# Altium PCB Crawler_PCB_V2.0.PcbDoc (part 2 of 2)
Units mm, origin at the board's own origin, x right, y up, seen from the top; angles counter-clockwise.
Board outline 95 x 94.99 mm, 4 copper layers (Top Copper, INT1, INT2, Bottom Copper), stack 1.57 mm thick; 143 components, 106 nets, 516 pads, 462 vias.
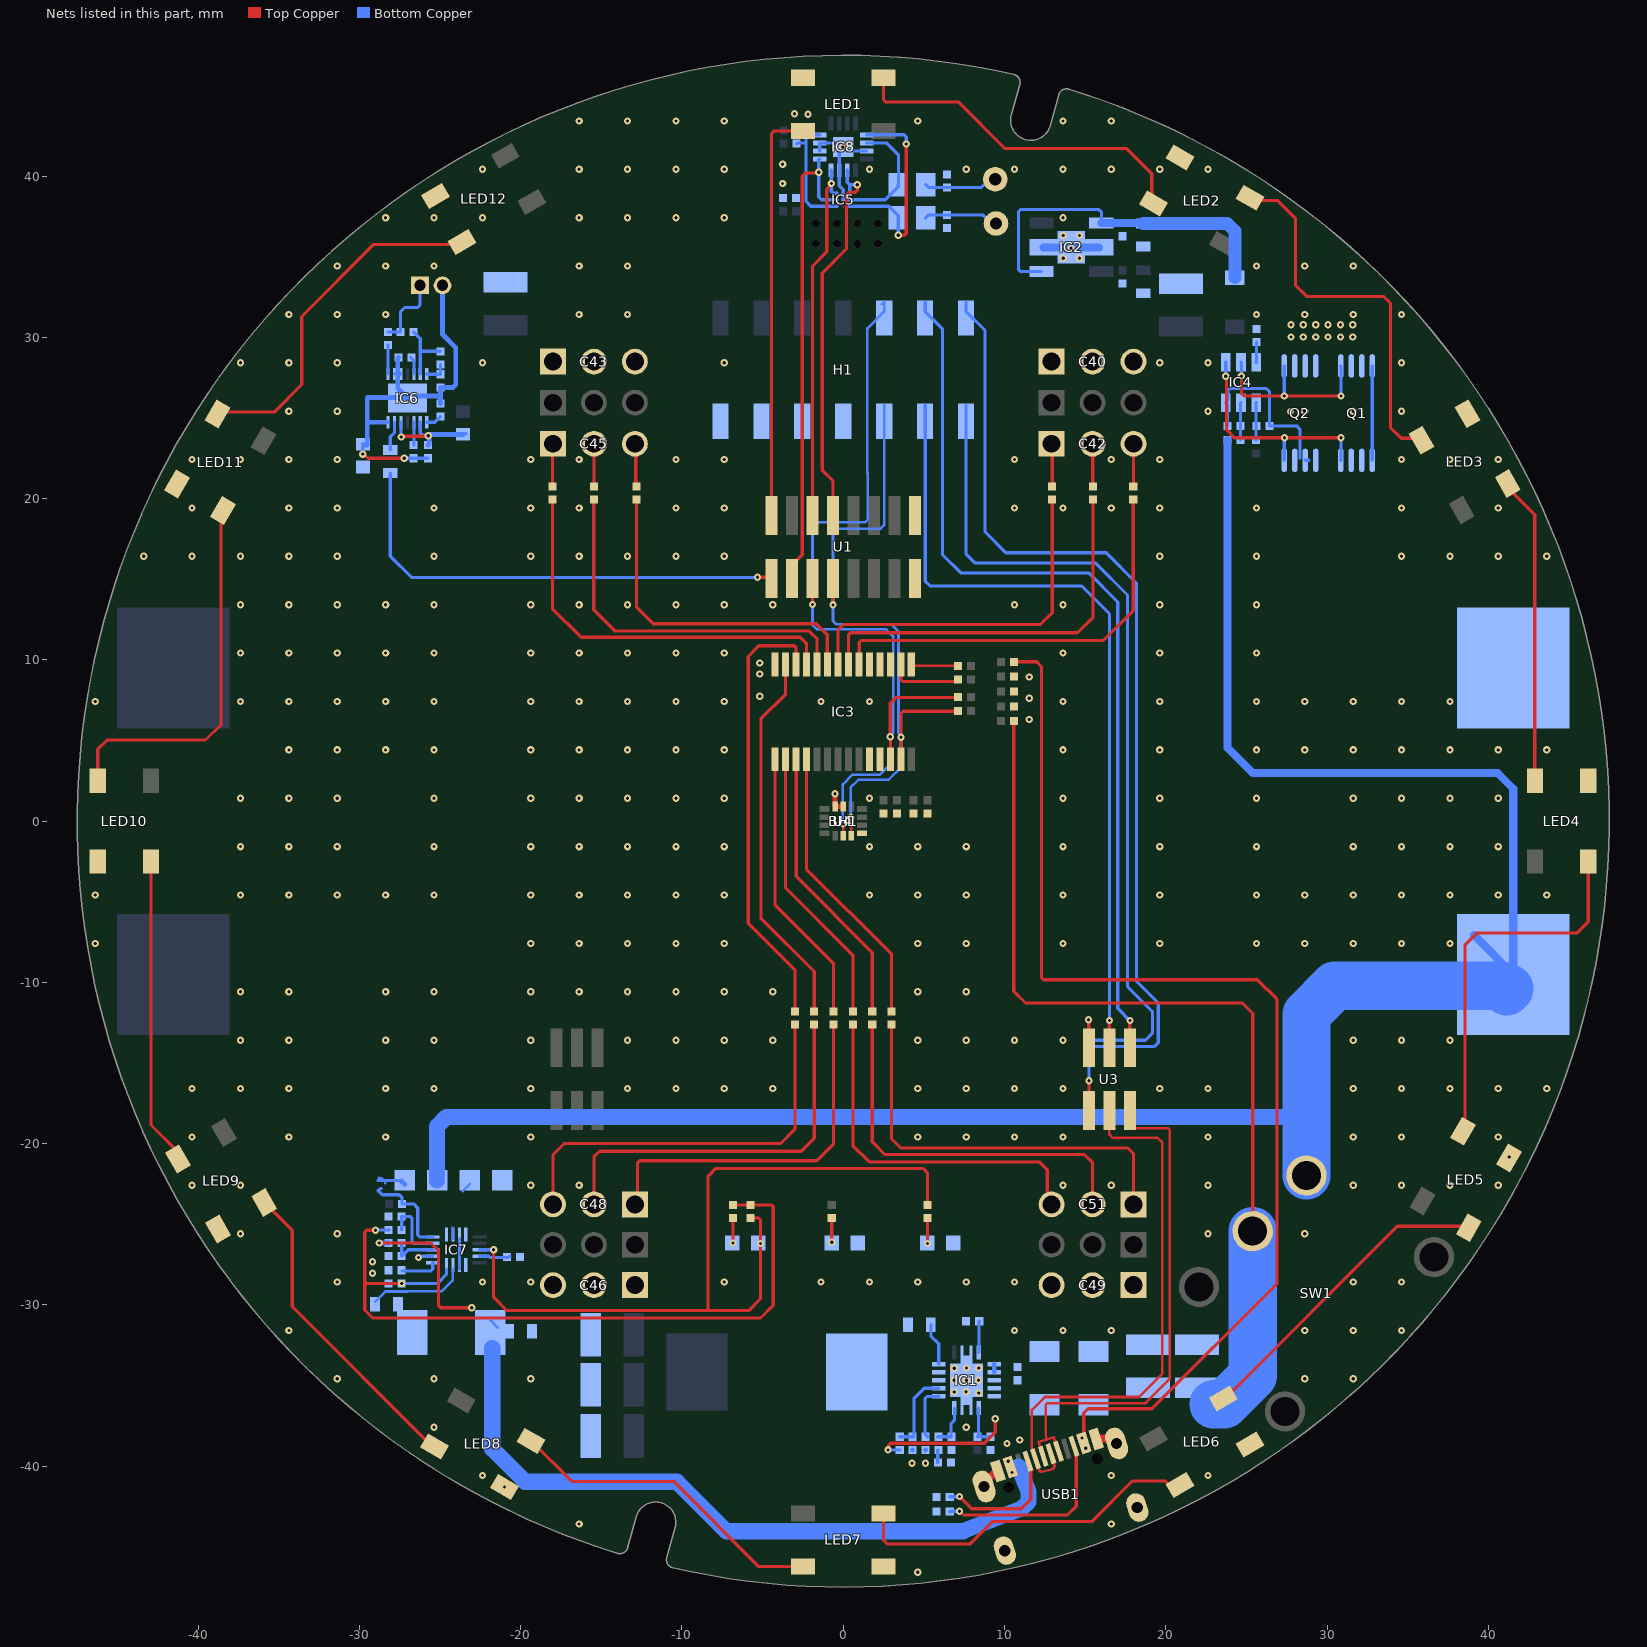
[diagram p4: the nets of this part, all layers, seen from the top]

## Via types
v1: diameter 0.45, hole 0.2, Top Copper to Bottom Copper, tented both sides, 458 vias
v2: diameter 2, hole 1.5, Top Copper to Bottom Copper, tented both sides, 2 vias
v3: diameter 4, hole 3.2, Top Copper to Bottom Copper, tented both sides, 2 vias

## Nets (pads, with @x,y where several pads share a name; then routed paths per layer and width w, separated by ;. In a path a pad name is that pad's centre, name@x,y a point inside that pad or via, vN(x,y) a via of type N, cw(c..) or ccw(c..) an arc to the next point about the centre after c; other vN are vias at no path point) (continued)
GND: C1.2 C2.1 C3.1 C4.1 C5.1 C6.1 C8.1 C9.1 C10.1 C11.1 C12.1 C13.1 C14.1 C15.1 C16.1 C17.1 C18.1 C19.1 C22.1 C23.1 C24.1 C25.1 C26.2 C27.1 C38.1 C39.1 C40.1 C40.2 C40.3 C43.1 C43.2 C43.3 C46.1 C46.2 C46.3 C49.1 C49.2 C49.3 C53.1 C57.1 C58.1 C59.1 C60.1 FB2.1 H1.1 H1.3 H1.5 H1.7 IC1.2 IC1.3 IC1.15 IC2.2 IC2.6 IC2.7 IC3.3 IC3.4 IC3.5 IC3.14 IC3.24 IC3.25 IC5.B2 IC5.C2 IC7.6 IC7.13 IC8.2 IC8.3 IC8.11 IC8.15 IC8.17 LED1.3 LED2.3 LED3.3 LED4.3 LED5.3 LED6.3 LED7.3 LED8.3 LED9.3 LED10.3 LED11.3 LED12.3 LED13.1 LED15.1 Q1.6 Q1.7 Q2.6 Q2.7 R1.2 R4.1 R6.1 R11.1 R14.1 R15.2 R27.1 R28.1 R59.1 R63.2 R64.2 R65.2 SB1.2 U1.15 U1.16 U4.1 U4.6 U4.7 USB1.1 USB1.2 USB1.3 USB1.4 USB1.A1 USB1.A12 USB1.B1 USB1.B12 | length 19.7
  Top Copper w0.2: USB1.B1@15.54,-38.366 15.633,-38.273 USB1.A12@15.826,-38.273
  Top Copper w0.3: LED10.3@-46.227,-2.525 LED10.3@-45.877,-2.54 ; LED1.3@-2.5,46.1 LED1.3@-2.489,45.75 ; v1(-0.506,1.699) -0.503,1.697 -0.503,0.913 U4.7@-0.5,0.91 U4.6@0,0.91 ; LED7.3@2.54,-45.877 LED7.3@2.551,-46.227 ; LED2.3@20.709,40.858 LED2.3@20.885,41.16 ; LED5.3@41.287,-20.885 41.3,-20.872 v1(41.3,-20.828) ; LED4.3@45.852,2.54 LED4.3@46.202,2.525
  Top Copper w0.5: USB1.1@8.732,-41.262 8.732,-41.065 USB1.A1@9.453,-40.344 ; USB1.A12@15.826,-38.273 16.63,-38.273 USB1.2@16.949,-38.592
  Bottom Copper w0.2: SB1.2@-28.829,-22.294 -28.476,-22.294 -27.424,-22.294 C57.1@-27.394,-22.323 ; v1(-26.34,-27.066) -26.272,-27.066 -26.187,-26.981 IC7.6@-25.453,-26.981 ; IC8.2@-1.45,41.558 IC8.3@-1.45,42.058 -0.25,42.058 IC8.17@0,41.808 ; v1(-0.025,41.808) IC8.17@0,41.808 ; IC5.B2@0,38.532 0,39.158 -0.25,39.408 IC8.15@-0.25,40.358 -0.25,41.558 IC8.17@0,41.808 ; IC8.11@1.45,41.558 0.25,41.558 IC8.17@0,41.808
  Bottom Copper w0.3: C57.1@-27.394,-22.323 C57.1@-27.187,-22.53 ; R6.1@4.299,-38.995 R6.1@4.305,-38.989 ; C1.2@5.105,-38.989 C1.2@5.118,-39.002 ; IC1.3@9.368,-34.171 IC1.2@9.368,-33.671
  Bottom Copper w0.5: IC2.2@12.423,35.585 IC2.7@14.148,35.585 IC2.6@15.873,35.585
  other v1: 4.622,-46.581 -16.378,-43.581 16.622,-43.581 -21.012,-41.287 -22.378,-40.581 16.622,-40.581 22.622,-40.581 4.267,-39.825 5.105,-39.825 10.16,-38.594 10.947,-38.379 -25.378,-37.581 7.622,-37.581 8.407,-35.458 6.883,-35.408 7.62,-35.382 6.883,-34.671 7.643,-34.671 8.382,-34.671 -31.378,-34.581 -25.378,-34.581 -19.378,-34.581 28.622,-34.581 31.622,-34.581 6.883,-33.934 7.645,-33.909 8.407,-33.909 -34.378,-31.581 10.622,-31.581 13.622,-31.581 16.622,-31.581 28.622,-31.581 31.622,-31.581 34.622,-31.581 -31.378,-28.581 -22.378,-28.581 -19.378,-28.581 -7.378,-28.581 -1.378,-28.581 1.622,-28.581 4.622,-28.581 7.622,-28.581 10.622,-28.581 31.622,-28.581 34.622,-28.581 -29.185,-28.042 -29.185,-27.33 -37.378,-25.581 -31.378,-25.581 22.622,-25.581 28.622,-25.581 -40.378,-22.581 -37.378,-22.581 -19.378,-22.581 -16.378,-22.581 13.622,-22.581 16.622,-22.581 22.622,-22.581 31.622,-22.581 34.622,-22.581 37.622,-22.581 40.622,-22.581 -40.378,-19.581 -34.378,-19.581 -28.378,-19.581 -19.378,-19.581 4.622,-19.581 7.622,-19.581 10.622,-19.581 13.622,-19.581 22.622,-19.581 31.622,-19.581 34.622,-19.581 40.622,-19.581 -40.378,-16.581 -37.378,-16.581 -34.378,-16.581 -28.378,-16.581 -25.378,-16.581 -19.378,-16.581 -13.378,-16.581 -10.378,-16.581 -7.378,-16.581 -4.378,-16.581 4.622,-16.581 7.622,-16.581 10.622,-16.581 13.622,-16.581 19.622,-16.581 22.622,-16.581 31.622,-16.581 34.622,-16.581 37.622,-16.581 40.622,-16.581 43.622,-16.581 -37.378,-13.581 -34.378,-13.581 -28.378,-13.581 -25.378,-13.581 -19.378,-13.581 -13.378,-13.581 -10.378,-13.581 -7.378,-13.581 -4.378,-13.581 4.622,-13.581 7.622,-13.581 10.622,-13.581 13.622,-13.581 31.622,-13.581 34.622,-13.581 37.622,-13.581 -37.378,-10.581 -34.378,-10.581 -28.378,-10.581 -25.378,-10.581 -19.378,-10.581 -16.378,-10.581 -13.378,-10.581 -10.378,-10.581 -7.378,-10.581 -4.378,-10.581 4.622,-10.581 7.622,-10.581 -46.378,-7.581 -19.378,-7.581 -16.378,-7.581 -13.378,-7.581 -10.378,-7.581 -7.378,-7.581 4.622,-7.581 7.622,-7.581 13.622,-7.581 19.622,-7.581 25.622,-7.581 28.622,-7.581 31.622,-7.581 34.622,-7.581 37.622,-7.581 -46.378,-4.581 -37.378,-4.581 -34.378,-4.581 -31.378,-4.581 -28.378,-4.581 -25.378,-4.581 -19.378,-4.581 -16.378,-4.581 -13.378,-4.581 -10.378,-4.581 -7.378,-4.581 1.622,-4.581 4.622,-4.581 7.622,-4.581 13.622,-4.581 19.622,-4.581 25.622,-4.581 28.622,-4.581 31.622,-4.581 34.622,-4.581 37.622,-4.581 40.622,-4.581 43.622,-4.581 -37.378,-1.581 -34.378,-1.581 -31.378,-1.581 -25.378,-1.581 -19.378,-1.581 -16.378,-1.581 -13.378,-1.581 -10.378,-1.581 -7.378,-1.581 1.622,-1.581 4.622,-1.581 7.622,-1.581 13.622,-1.581 19.622,-1.581 25.622,-1.581 31.622,-1.581 34.622,-1.581 37.622,-1.581 40.622,-1.581 -37.378,1.419 -34.378,1.419 -31.378,1.419 -25.378,1.419 -19.378,1.419 -16.378,1.419 -13.378,1.419 -10.378,1.419 -7.378,1.419 1.622,1.419 13.622,1.419 19.622,1.419 25.622,1.419 31.622,1.419 34.622,1.419 37.622,1.419 40.622,1.419 -34.378,4.419 -31.378,4.419 -28.378,4.419 -25.378,4.419 -19.378,4.419 -16.378,4.419 -13.378,4.419 -10.378,4.419 -7.378,4.419 13.622,4.419 19.622,4.419 25.622,4.419 28.622,4.419 31.622,4.419 34.622,4.419 37.622,4.419 40.622,4.419 43.622,4.419 11.532,6.299 -46.378,7.419 -37.378,7.419 -34.378,7.419 -31.378,7.419 -28.378,7.419 -25.378,7.419 -19.378,7.419 -16.378,7.419 -13.378,7.419 -10.378,7.419 -7.378,7.419 -1.378,7.419 1.622,7.419 13.622,7.419 19.622,7.419 25.622,7.419 28.622,7.419 31.622,7.419 34.622,7.419 37.622,7.419 11.532,7.62 -5.182,7.747 11.532,8.941 -5.182,9.119 -5.182,9.804 -37.378,10.419 -34.378,10.419 -31.378,10.419 -28.378,10.419 -25.378,10.419 -19.378,10.419 -16.378,10.419 -13.378,10.419 -10.378,10.419 -7.378,10.419 13.622,10.419 19.622,10.419 25.622,10.419 -37.378,13.419 -34.378,13.419 -31.378,13.419 -28.378,13.419 -25.378,13.419 -19.378,13.419 -16.378,13.419 -13.378,13.419 -10.378,13.419 -7.378,13.419 -4.378,13.419 10.622,13.419 13.622,13.419 19.622,13.419 25.622,13.419 -43.378,16.419 -40.378,16.419 -37.378,16.419 -34.378,16.419 -31.378,16.419 -25.378,16.419 -19.378,16.419 -16.378,16.419 -13.378,16.419 -10.378,16.419 -7.378,16.419 19.622,16.419 25.622,16.419 34.622,16.419 37.622,16.419 40.622,16.419 43.622,16.419 -40.378,19.419 -34.378,19.419 -31.378,19.419 -25.378,19.419 -19.378,19.419 -16.378,19.419 -10.378,19.419 -7.378,19.419 10.622,19.419 13.622,19.419 16.622,19.419 19.622,19.419 25.622,19.419 34.622,19.419 40.622,19.419 -40.378,22.419 -37.378,22.419 -34.378,22.419 -31.378,22.419 -19.378,22.419 -16.378,22.419 -10.378,22.419 -7.378,22.419 10.622,22.419 16.622,22.419 19.622,22.419 34.622,22.419 37.622,22.419 40.622,22.419 27.737,25.4 -34.378,25.419 -31.378,25.419 22.622,25.419 28.622,25.419 31.622,25.419 34.622,25.419 -37.378,28.419 -34.378,28.419 -31.378,28.419 -22.378,28.419 -7.378,28.419 19.622,28.419 22.622,28.419 34.622,28.419 27.762,30.023 28.529,30.023 29.296,30.023 30.063,30.023 30.831,30.023 31.598,30.023 27.762,30.785 28.529,30.785 29.296,30.785 30.063,30.785 30.831,30.785 31.598,30.785 -34.378,31.419 -31.378,31.419 -28.378,31.419 -16.378,31.419 -13.378,31.419 25.622,31.419 28.622,31.419 31.622,31.419 34.622,31.419 -31.378,34.419 -28.378,34.419 -25.378,34.419 -16.378,34.419 -13.378,34.419 25.622,34.419 28.622,34.419 31.622,34.419 13.64,34.9 14.656,34.9 14.122,35.535 13.64,36.322 14.656,36.322 -28.378,37.419 -25.378,37.419 -22.378,37.419 -16.378,37.419 -13.378,37.419 -10.378,37.419 -7.378,37.419 13.622,37.419 -3.759,39.548 -22.378,40.419 -16.378,40.419 -13.378,40.419 -10.378,40.419 -7.378,40.419 1.622,40.419 7.622,40.419 10.622,40.419 13.622,40.419 16.622,40.419 19.622,40.419 22.622,40.419 -3.759,40.742 -16.378,43.419 -13.378,43.419 -10.378,43.419 -7.378,43.419 4.622,43.419 13.622,43.419 16.622,43.419 -2.184,43.84 -3.023,43.866
GND_ISO: C29.1 C30.1 C31.2 C32.1 FB2.2 IC6.7 IC6.9 IC6.10 IC6.15 MIC1.2 R30.2 | length 25.4
  Top Copper w0.2: v1(-29.794,22.758) -29.727,22.758 -29.473,22.504 v1(-27.229,22.504)
  Bottom Copper w0.2: v1(-29.794,22.758) -29.794,23.07 FB2.2@-29.769,23.37 ; IC6.9@-27.826,27.738 -27.626,27.738 IC6.10@-27.426,27.738 ; v1(-27.229,22.504) C32.1@-26.645,22.504 C30.1@-25.743,22.504
  Bottom Copper w0.3: FB2.2@-29.769,23.37 -29.73,23.331 -29.515,23.331 -29.515,24.714 ; -29.515,26.264 -29.515,24.714 ; -29.489,26.264 IC6.15@-27.051,26.264 ; IC6.7@-28.296,24.738 -29.491,24.738 -29.515,24.714 ; C29.1@-27.584,28.753 -27.626,28.712 -27.626,27.738 -27.626,26.838 IC6.15@-27.051,26.264 ; C31.2@-24.968,25.908 -24.968,26.365 ; MIC1.2@-24.852,33.223 -24.852,30.186 -24.03,29.364 -24.03,27.074 -24.205,26.899 R30.2@-24.968,26.899 -24.968,26.365 ; IC6.15@-27.051,26.264 IC6.15@-27.026,26.238 -26.899,26.365 -24.968,26.365
GPIO_05: H1.13 U3.2 | length 55.2
  Top Copper w0.2: v1(15.215,-12.319) 15.23,-12.334 U3.2@15.23,-14.05
  Bottom Copper w0.2: H1.13@7.62,25.8 7.62,16.561 8.179,16.002 15.646,16.002 17.628,14.021 17.628,-10.262 19.173,-11.807 19.173,-13.162 18.745,-13.589 15.332,-13.589 15.215,-13.472 v1(15.215,-12.319)
GPIO_15: H1.14 U3.1 | length 62.7
  Top Copper w0.2: U3.1@15.23,-17.95 15.24,-17.94 v1(15.24,-16.104)
  Bottom Copper w0.2: H1.14@7.62,32.2 7.62,31.6 8.788,30.432 8.788,17.932 10.084,16.637 16.307,16.637 18.186,14.757 18.186,-9.931 19.533,-11.278 19.533,-13.741 19.304,-13.97 15.494,-13.97 15.24,-14.224 v1(15.24,-16.104)
I2C_SCL: H1.10 IC3.26 R8.1 U1.5 U4.13 | length 53.2
  Top Copper w0.16: v1(-1.905,13.437) U1.5@-1.905,15.05 ; v1(-0.007,-0.16) -0.004,-0.163 -0.004,-0.906 U4.13@0,-0.91
  Top Copper w0.2: IC3.26@2.925,3.844 2.923,3.846 2.923,5.23 v1(2.921,5.232) 2.921,7.315 3.277,7.671 R8.1@7.036,7.671
  Bottom Copper w0.16: v1(-0.007,-0.16) -0.025,-0.142 -0.025,2.286 0.574,2.885 2.276,2.885 2.921,3.531 2.921,5.293 3.099,5.471 3.099,11.455 2.667,11.887 -1.626,11.887 -1.905,12.167 v1(-1.905,13.437) -1.905,18.237 -1.6,18.542 1.372,18.542 1.524,18.694 1.524,21.59 1.499,21.615 1.499,30.559 2.54,31.6 2.54,32.2 H1.10@2.395,32.055
I2C_SDA: H1.9 IC3.27 R7.1 U1.7 U4.14 | length 43.8
  Top Copper w0.16: v1(-0.635,13.411) U1.7@-0.635,15.05 ; v1(0.47,0.22) 0.485,0.205 0.485,-0.895 U4.14@0.5,-0.91
  Top Copper w0.2: IC3.27@3.448,3.844 IC3.27@3.451,3.847 ; IC3.27@3.575,3.844 3.578,3.847 3.578,5.204 v1(3.581,5.207) 3.581,6.68 3.708,6.807 R7.1@7.036,6.807
  Bottom Copper w0.16: v1(0.47,0.22) 0.457,0.233 0.457,2.083 0.94,2.565 2.819,2.565 3.581,3.327 3.581,5.285 3.429,5.438 3.429,11.76 2.982,12.207 -0.422,12.207 -0.635,12.421 v1(-0.635,13.411) -0.635,18.042 -0.541,18.136 2.311,18.136 2.54,18.364 H1.9@2.54,25.8
I2S_BCLK: IC5.C1 IC8.16 U1.6 | length 22.8
  Top Copper w0.2: U1.6@-1.905,18.95 -1.905,34.417 -1.016,35.306 -1.016,39.201 -0.737,39.48 v1(-0.737,39.548)
  Bottom Copper w0.2: IC8.16@-0.75,40.358 -0.75,39.049 -0.633,38.932 IC5.C1@-0.4,38.932
I2S_DIN: IC5.B1 IC8.1 U1.3 | length 29.9
  Top Copper w0.2: U1.3@-3.175,15.05 -3.175,15.88 -2.545,16.51 -2.545,40 -2.356,40.189 -1.568,40.189 v1(-1.524,40.234)
  Bottom Copper w0.2: IC8.1@-1.45,41.058 -1.474,41.058 -1.524,41.008 v1(-1.524,40.234) -1.524,38.71 -1.346,38.532 IC5.B1@-0.4,38.532
I2S_LCR: IC5.C3 IC8.14 U1.8 | length 23.9
  Top Copper w0.2: U1.8@-0.635,18.95 -0.635,21.107 -1.295,21.768 -1.295,33.985 0.203,35.484 0.203,38.837 0.356,38.989 0.746,38.989 0.864,39.106 0.864,39.462 v1(0.868,39.467)
  Bottom Copper w0.2: IC8.14@0.25,40.358 0.25,39.617 0.4,39.467 ; IC5.C3@0.4,38.932 0.4,39.467 ; v1(0.868,39.467) 0.4,39.467
MICBIAS: IC6.13 R31.1 R32.2 | length 4
  Bottom Copper w0.2: R32.2@-26.645,30.328 -26.226,29.909 -26.226,29.134 ; IC6.13@-26.226,27.738 -26.226,29.134 ; R31.1@-24.968,29.134 -26.226,29.134
MICROPHONE: C33.1 U1.1 | length 29.4
  Top Copper w0.2: v1(-5.315,15.122) -4.517,15.122 U1.1@-4.445,15.05
  Bottom Copper w0.2: C33.1@-28.092,21.59 -28.092,16.434 -26.772,15.113 -5.324,15.113 v1(-5.315,15.122)
MP_VCC: C60.2 IC7.4 R16.2 R24.2 R62.1 | length 46.6
  Top Copper w0.2: v1(-29.007,-25.375) -29.552,-25.375 -29.67,-25.492 -29.67,-28.559 ; v1(-27.381,-28.677) -29.552,-28.677 -29.67,-28.559 ; R24.2@-6.833,-23.8 R16.2@-5.74,-23.8 -4.461,-23.8 -4.343,-23.917 -4.343,-30.023 -5.131,-30.81 -29.175,-30.81 -29.67,-30.315 -29.67,-28.559
  Bottom Copper w0.2: v1(-29.007,-25.375) -28.992,-25.36 -28.167,-25.36 R62.1@-28.156,-25.349 ; v1(-27.381,-28.677) -25.17,-28.677 -24.603,-28.11 IC7.4@-24.603,-27.785
NEO_PIXEL_CRAW: LED1.4 U1.2 | length 25.7
  Top Copper w0.2: U1.2@-4.445,18.95 -4.445,42.647 -4.292,42.8 LED1.4@-2.5,42.8
NetC1_1: C1.1 IC1.9 | length 3.3
  Bottom Copper w0.2: C1.1@5.232,-38.176 5.076,-38.02 5.076,-35.796 5.193,-35.679 5.91,-35.679 IC1.9@5.918,-35.671
NetC7_1: C7.1 IC1.13 | length 2.7
  Bottom Copper w0.2: C7.1@5.436,-31.217 5.436,-31.928 5.918,-32.41 5.918,-32.74 IC1.13@5.918,-33.671
NetC7_2: C7.2 IC1.11 IC1.12 L1.1
NetC8_2: C8.2 IC1.8 R5.2 | length 2.7
  Bottom Copper w0.2: R5.2@5.842,-38.176 R5.2@5.905,-38.176 C8.2@6.706,-38.176 6.68,-38.151 6.68,-37.363 6.893,-37.15 IC1.8@6.893,-36.396
NetC9_2: C9.2 R5.1 | length 0.8
  Bottom Copper w0.2: R5.1@5.842,-38.989 5.855,-39.002 5.855,-39.764 C9.2@5.867,-39.776
NetC10_2: C10.2 C11.2 DIO1.2 IC2.1 IC2.4 | length 22.4
  Bottom Copper w0.2: IC2.1@12.298,34.085 10.988,34.085 10.871,34.203 10.871,37.805 10.988,37.922 15.85,37.922 16.023,37.749 IC2.4@16.023,37.084
  Bottom Copper w0.5: IC2.4@16.023,37.084 C11.2@17.323,37.084 18.567,37.084 C10.2@18.593,37.059
  Bottom Copper w0.8: C10.2@18.593,37.059 23.814,37.059 24.282,36.59 DIO1.2@24.282,33.706
NetC20_1: C20.1 IC4.5 R9.2 | length 2.3
  Bottom Copper w0.2: R9.2@24.638,23.647 C20.1@24.638,24.511 24.638,25.928 IC4.5@24.663,25.953
NetC21_2: C21.2 IC4.4 R10.2 | length 2.3
  Bottom Copper w0.2: R10.2@25.603,23.622 25.603,25.943 IC4.4@25.613,25.953
NetC26_1: C26.1 L2.2 TP1.1 | length 4.8
  Top Copper w0.2: TP1.1@9.423,39.802 TP1.1@9.606,39.984
  Bottom Copper w0.2: L2.2@5.117,39.472 5.295,39.294 C26.1@6.426,39.294 8.557,39.294 9.065,39.802 TP1.1@9.423,39.802
NetC27_2: C27.2 L4.2 TP2.1 | length 4.7
  Bottom Copper w0.2: L4.2@5.117,37.414 5.295,37.592 C27.2@6.426,37.592 8.644,37.592 9.178,37.059 TP2.1@9.474,37.059
NetC28_1: C28.1 IC6.8 | length 1.8
  Bottom Copper w0.2: IC6.8@-28.226,27.738 -28.226,29.509 C28.1@-28.219,29.515
NetC28_2: C28.2 MIC1.1 R32.1 | length 4.6
  Bottom Copper w0.2: C28.2@-28.219,30.328 R32.1@-27.457,30.328 -27.457,31.598 -27.203,31.852 -26.391,31.852 -26.252,31.99 MIC1.1@-26.252,33.223
NetC29_2: C29.2 IC6.12 | length 1.1
  Bottom Copper w0.2: C29.2@-26.822,28.753 -26.626,28.556 IC6.12@-26.626,27.738
NetC30_2: C30.2 FB1.1 IC6.2 IC6.5 | length 6.7
  Top Copper w0.2: v1(-27.407,23.825) -27.368,23.863 -25.768,23.863 v1(-25.73,23.901)
  Bottom Copper w0.2: IC6.5@-27.426,24.738 -27.426,23.844 v1(-27.407,23.825) ; IC6.2@-26.226,24.738 -26.226,24.066 -26.108,23.949 -25.778,23.949 v1(-25.73,23.901) ; FB1.1@-23.419,24.04 FB1.1@-23.407,24.028
  Bottom Copper w0.3: C30.2@-25.743,23.317 -25.672,23.388 -25.672,23.972 -23.588,23.972 FB1.1@-23.571,23.989
NetC31_1: C31.1 IC6.1 | length 1
  Bottom Copper w0.2: IC6.1@-25.826,24.738 -25.325,24.738 C31.1@-24.968,25.095
NetC32_2: C32.2 IC6.3 | length 1.4
  Bottom Copper w0.2: C32.2@-26.645,23.317 -26.626,23.336 IC6.3@-26.626,24.738
NetC33_2: C33.2 IC6.6 | length 1.8
  Bottom Copper w0.2: C33.2@-28.092,23.012 -28.092,23.825 -27.826,24.092 IC6.6@-27.826,24.738
NetC56_2: C56.2 IC7.3 | length 6.1
  Bottom Copper w0.16: C56.2@-29.032,-29.809 -28.812,-29.589 -28.39,-29.167 -27.032,-29.167 -27.024,-29.159 -24.912,-29.159 -24.203,-28.45 IC7.3@-24.203,-27.785
NetC58_2: C58.2 IC7.11 | length 1.3
  Bottom Copper w0.16: IC7.11@-24.203,-25.885 IC7.11@-24.203,-25.232 ; -23.597,-22.952 C58.2@-23.149,-22.504
NetIC1_1: IC1.1 R1.1 | length 1.9
  Bottom Copper w0.2: IC1.1@8.393,-32.946 8.413,-32.926 8.413,-31.033 R1.1@8.433,-31.013
NetIC3_1: IC3.1 R12.1 | length 2.9
  Top Copper w0.16: IC3.1@4.225,9.72 4.318,9.627 R12.1@7.112,9.627
  Top Copper w0.2: IC3.1@4.098,9.72 IC3.1@4.115,9.703
NetIC3_2: IC3.2 R13.1 | length 4.6
  Top Copper w0.2: IC3.2@3.581,9.726 IC3.2@3.575,9.72 3.575,8.779 3.692,8.661 6.985,8.661 R13.1@7.112,8.788
NetIC3_6: IC3.6 R35.2 | length 26.1
  Top Copper w0.2: IC3.6@0.975,9.72 0.991,9.735 0.991,11.084 1.108,11.201 16.129,11.201 17.983,13.056 R35.2@17.983,19.939
NetIC3_7: IC3.7 R36.2 | length 24.8
  Top Copper w0.2: IC3.7@0.325,9.72 0.33,9.725 0.33,11.567 0.447,11.684 14.529,11.684 15.494,12.649 R36.2@15.494,19.939
NetIC3_8: IC3.8 R37.2 | length 22.9
  Top Copper w0.2: IC3.8@-0.325,9.72 -0.33,9.725 -0.33,11.857 0.005,12.192 12.217,12.192 12.954,12.929 R37.2@12.954,19.939
NetIC3_9: IC3.9 R38.2 | length 21.1
  Top Copper w0.2: R38.2@-12.827,19.939 -12.827,13.284 -11.786,12.243 -1.676,12.243 -0.991,11.557 -0.991,9.735 IC3.9@-0.975,9.72
NetIC3_10: IC3.10 R39.2 | length 23
  Top Copper w0.2: R39.2@-15.469,19.914 -15.469,13.106 -14.148,11.786 -2.108,11.786 -1.626,11.303 IC3.10@-1.625,9.72
NetIC3_11: IC3.11 R40.2 | length 24.7
  Top Copper w0.2: R40.2@-18.034,19.914 -18.034,13.183 -16.256,11.405 -2.656,11.405 -2.286,11.035 -2.286,9.731 IC3.11@-2.275,9.72
NetIC3_12: IC3.12 R41.2 | length 27.5
  Top Copper w0.2: R41.2@-3,-11.811 -3,-9.217 -5.893,-6.325 -5.893,10.211 -5.229,10.874 -3.042,10.874 -2.925,10.757 IC3.12@-2.925,9.72
NetIC3_13: IC3.13 R42.2 | length 23.5
  Top Copper w0.2: IC3.13@-3.575,9.72 -3.575,7.88 -5.105,6.35 -5.105,-6.02 -1.8,-9.325 R42.2@-1.8,-11.811
NetIC3_15: IC3.15 R50.1 | length 17.2
  Top Copper w0.2: IC3.15@-4.225,3.844 -4.225,-5.224 -0.6,-8.849 R50.1@-0.6,-11.811
NetIC3_16: IC3.16 R49.1 | length 17.4
  Top Copper w0.2: IC3.16@-3.575,3.844 -3.575,-4.147 0.6,-8.322 R49.1@0.6,-11.811
NetIC3_17: IC3.17 R48.1 | length 17.6
  Top Copper w0.2: IC3.17@-2.925,3.844 -2.921,3.84 -2.921,-3.429 1.8,-8.15 R48.1@1.8,-11.811
NetIC3_18: IC3.18 R47.1 | length 17.8
  Top Copper w0.2: IC3.18@-2.275,3.844 -2.286,3.833 -2.286,-2.972 3,-8.258 R47.1@3,-11.811
NetIC4_1: IC4.1 Q1.4 Q2.4 | length 14.3
  Top Copper w0.2: v1(23.724,27.584) 23.771,27.537 23.771,24.26 24.257,23.774 v1(27.356,23.774) v1(30.861,23.774)
  Bottom Copper w0.2: IC4.1@23.713,28.453 23.724,28.443 v1(23.724,27.584) ; Q2.4@27.353,22.378 v1@27.353,23.772 ; Q1.4@30.856,22.375 30.858,22.378 30.858,23.772 v1(30.861,23.774)
NetIC4_2: IC4.2 Q1.5 Q2.5 | length 11.9
  Top Copper w0.2: v1(24.689,27.61) 24.689,26.543 24.864,26.368 v1(27.35,26.368) 27.351,26.366 v1(30.861,26.365)
  Bottom Copper w0.2: IC4.2@24.663,28.453 24.689,28.428 v1(24.689,27.61) ; v1@27.347,26.37 Q2.5@27.347,28.229 ; Q1.5@30.856,28.229 30.858,28.226 30.858,26.368 v1(30.861,26.365)
NetIC4_3: IC4.3 R11.2 | length 1.3
  Bottom Copper w0.2: IC4.3@25.613,28.453 25.629,28.469 R11.2@25.629,29.718
NetIC6_14: IC6.14 R30.1 R31.2 | length 1.5
  Bottom Copper w0.2: IC6.14@-25.826,27.738 -25.826,27.711 R30.1@-24.968,27.711 R31.2@-24.968,28.321
NetIC7_5: IC7.5 R63.1 | length 2.4
  Bottom Copper w0.2: R63.1@-27.351,-27.889 -25.568,-27.889 -25.451,-27.772 -25.451,-27.381 IC7.5@-25.376,-27.381
NetIC7_7: IC7.7 R60.2 R65.1 | length 2.9
  Bottom Copper w0.2: R60.2@-27.381,-26.162 -27.381,-26.835 R65.1@-27.381,-26.975 -26.987,-26.581 IC7.7@-25.453,-26.581
NetIC7_8: IC7.8 R62.2 R64.1 | length 4.2
  Bottom Copper w0.2: R62.2@-27.381,-25.345 R64.1@-27.381,-24.524 -27.368,-24.511 -26.863,-24.511 -26.746,-24.628 -26.746,-25.07 -26.746,-25.867 -26.746,-26.07 -26.629,-26.187 -25.843,-26.187 -25.837,-26.181 IC7.8@-25.506,-26.181
NetIC7_9: IC7.9 R61.2 SB1.1 | length 6
  Bottom Copper w0.2: -28.626,-22.789 -28.7,-22.789 SB1.1@-28.829,-22.918 -28.577,-23.171 -27.543,-23.171 -27.356,-23.358 R61.2@-27.356,-23.736 -26.645,-23.736 -26.386,-23.995 -26.386,-25.664 -26.269,-25.781 -25.837,-25.781 IC7.9@-25.458,-25.781
NetIC7_16: IC7.16 LED14.1 R16.1 R23.1 | length 50.8
  Top Copper w0.2: v1(-21.68,-26.583) -21.68,-29.526 -20.853,-30.353 -8.407,-30.353 ; R16.1@-5.74,-24.613 -5.248,-24.613 -5.131,-24.73 v1(-5.131,-26.187) -5.131,-29.616 -5.867,-30.353 -8.407,-30.353 ; R23.1@5.232,-23.8 5.232,-21.823 4.946,-21.537 -7.897,-21.537 -8.382,-22.022 -8.382,-30.328 -8.407,-30.353
  Bottom Copper w0.2: IC7.16@-22.559,-26.581 IC7.16@-22.553,-26.581 -21.682,-26.581 v1(-21.68,-26.583)
NetIC7_17: IC7.17 R59.2 | length 1.9
  Bottom Copper w0.2: IC7.17@-22.553,-26.981 -21.968,-26.981 -21.881,-27.068 -20.768,-27.068 R59.2@-20.682,-26.981
NetLED1_2: LED1.2 LED2.4 | length 21.8
  Top Copper w0.2: LED1.2@2.5,46.1 2.5,44.72 2.617,44.602 7.137,44.602 10.033,41.707 17.577,41.707 19.126,40.157 19.126,38.411 LED2.4@19.235,38.302
NetLED2_2: LED2.2 LED3.4 | length 23.8
  Top Copper w0.2: LED2.2@25.215,38.66 25.394,38.481 26.949,38.481 28.042,37.389 28.042,33.249 28.753,32.537 33.503,32.537 33.934,32.106 33.934,24.401 34.595,23.741 35.728,23.741 LED3.4@35.853,23.616
NetLED3_2: LED3.2 LED4.4 | length 19.1
  Top Copper w0.2: LED3.2@41.211,20.936 41.211,20.665 42.875,19 42.875,2.526 LED4.4@42.902,2.5
NetLED4_2: LED4.2 LED5.4 | length 23.6
  Top Copper w0.2: LED5.4@38.429,-19.235 38.554,-19.11 38.554,-7.699 39.319,-6.934 45.517,-6.934 46.202,-6.249 LED4.2@46.202,-2.5
NetLED5_2: LED5.2 LED6.4 | length 19.7
  Top Copper w0.2: LED6.4@23.565,-35.802 23.685,-35.802 34.366,-25.121 38.692,-25.121 LED5.2@38.787,-25.215
NetLED6_2: LED6.2 LED7.4 | length 21.9
  Top Copper w0.2: LED7.4@2.5,-42.927 2.5,-44.588 2.743,-44.831 7.849,-44.831 9.246,-43.434 15.418,-43.434 17.932,-40.919 19.968,-40.919 20.209,-41.16 LED6.2@20.885,-41.16
NetLED7_2: LED7.2 LED8.4 | length 20.1
  Top Copper w0.2: LED8.4@-19.362,-38.429 -16.846,-40.945 -10.516,-40.945 -5.233,-46.227 LED7.2@-2.5,-46.227
NetLED8_2: LED8.2 LED9.4 | length 19.6
  Top Copper w0.2: LED9.4@-35.904,-23.641 -34.163,-25.382 -34.163,-30.099 -25.475,-38.787 LED8.2@-25.342,-38.787
NetLED9_2: LED9.2 LED10.4 | length 19.2
  Top Copper w0.2: LED10.4@-42.927,-2.5 -42.927,-18.846 -41.262,-20.511 LED9.2@-41.262,-20.961
NetLED10_2: LED10.2 LED11.4 | length 23.6
  Top Copper w0.2: LED10.2@-46.227,2.5 -46.227,4.446 -45.644,5.029 -39.548,5.029 -38.583,5.994 -38.583,19.132 LED11.4@-38.454,19.26
NetLED11_2: LED11.2 LED12.4 | length 22.1
  Top Copper w0.2: LED11.2@-38.812,25.241 -38.687,25.366 -35.29,25.366 -33.579,27.076 -33.579,31.293 -29.108,35.763 -23.782,35.763 LED12.4@-23.641,35.904
NetLED13_2: LED13.2 R23.2 | length 1.6
  Top Copper w0.2: v1(5.232,-26.187) R23.2@5.232,-24.613
NetLED14_2: LED14.2 R24.1 | length 1.5
  Top Copper w0.2: v1(-6.833,-26.162) R24.1@-6.833,-24.613
NetLED15_2: LED15.2 R29.1 | length 1.5
  Top Copper w0.2: v1(-0.711,-26.111) R29.1@-0.711,-24.613
NetQ1_1: Q1.1 Q1.8 | length 5.9
  Bottom Copper w0.2: Q1.1@32.806,22.375 Q1.8@32.806,28.229
NetQ2_1: Q2.1 Q2.8
NetR14_2: R14.2 USB1.A5 | length 7.5
  Top Copper w0.2: v1(7.214,-41.885) 7.976,-42.647 11.049,-42.647 11.633,-42.062 USB1.A5@11.633,-40.208
  Bottom Copper w0.2: R14.2@6.604,-41.91 6.617,-41.897 7.201,-41.897 v1(7.214,-41.885)
NetR15_1: R15.1 USB1.B5 | length 11.3
  Top Copper w0.2: v1(7.214,-42.799) 7.227,-42.799 7.456,-43.028 13.894,-43.028 14.448,-42.474 USB1.B5@14.448,-39.34
  Bottom Copper w0.2: R15.1@6.604,-42.824 6.629,-42.799 v1(7.214,-42.799)
PWM0: C42.3 R35.1 | length 2.3
  Top Copper w0.2: R35.1@17.983,20.752 17.992,20.76 17.992,23.034 C42.3@18,23.043
PWM1: C42.2 R36.1 | length 2.3
  Top Copper w0.2: C42.2@15.46,23.043 15.477,23.026 15.477,20.769 R36.1@15.494,20.752
PWM2: C42.1 R37.1 | length 2.3
  Top Copper w0.2: C42.1@12.92,23.043 12.954,23.009 R37.1@12.954,20.752
PWM3: C45.3 R38.1 | length 2.4
  Top Copper w0.2: C45.3@-13.284,23.119 C45.3@-13.271,23.106 ; C45.3@-12.92,23.119 -12.873,23.073 R38.1@-12.873,20.798 ; -12.873,21.126 -12.827,21.08
PWM4: C45.2 R39.1 | length 2.4
  Top Copper w0.2: C45.2@-15.824,23.119 C45.2@-15.818,23.113 ; -15.469,21.122 -15.464,21.126 ; R39.1@-15.464,20.731 -15.464,23.115 C45.2@-15.46,23.119
PWM5: C45.1 R40.1 | length 2.4
  Top Copper w0.2: R40.1@-18.034,20.726 -18.034,23.085 C45.1@-18,23.119
PWM6: C48.3 R41.1 | length 25.2
  Top Copper w0.2: C48.3@-18,-23.77 -18,-20.692 -17.297,-19.99 -3.886,-19.99 -3,-19.104 R41.1@-3,-12.624
PWM7: C48.2 R42.1 | length 24.1
  Top Copper w0.2: C48.2@-15.46,-23.77 -15.46,-20.819 -15.113,-20.472 -2.616,-20.472 -1.8,-19.656 R42.1@-1.8,-12.624
PWM8: C48.1 R50.2 | length 22.7
  Top Copper w0.2: C48.1@-12.92,-23.77 -12.751,-23.601 -12.751,-21.174 -12.634,-21.057 -1.651,-21.057 -0.6,-20.006 R50.2@-0.6,-12.624
PWM9: C51.3 R49.2 | length 21.9
  Top Copper w0.2: R49.2@0.6,-12.624 0.6,-20.133 1.6,-21.133 12.167,-21.133 12.384,-21.35 12.652,-21.618 12.652,-22.994 C51.3@12.92,-23.262
PWM10: C51.2 R48.2 | length 23.5
  Top Copper w0.2: R48.2@1.8,-12.624 1.8,-19.885 2.591,-20.676 14.961,-20.676 15.46,-21.175 C51.2@15.46,-23.262
PWM11: C51.1 R47.2 | length 25.1
  Top Copper w0.2: R47.2@3,-12.624 3,-19.713 3.556,-20.269 17.653,-20.269 18,-20.616 C51.1@18,-23.262
SD\: IC5.A1 IC8.4 R17.2 | length 7.6
  Bottom Copper w0.2: R17.2@-2.896,42.012 -2.857,42.05 -2.311,42.05 ; IC8.4@-1.45,42.558 -2.194,42.558 -2.311,42.441 -2.311,42.05 ; IC5.A1@-0.4,38.132 -2.013,38.132 -2.311,38.43 -2.311,42.05
SPEAKER_N: IC5.B3 IC8.10 L2.1 | length 7.6
  Bottom Copper w0.2: IC5.B3@0.4,38.532 2.602,38.532 3.417,39.347 L2.1@3.417,39.472 3.429,39.483 3.429,41.296 2.667,42.058 IC8.10@1.45,42.058
SPEAKER_P: IC5.A3 IC8.9 L4.1 | length 13.5
  Top Copper w0.2: v1(3.417,36.336) 3.794,36.336 3.912,36.453 v1(3.912,41.986)
  Bottom Copper w0.2: IC5.A3@0.4,38.132 2.825,38.132 3.417,37.539 L4.1@3.417,37.414 v1(3.417,36.336) ; IC8.9@1.45,42.558 3.771,42.558 3.912,42.418 v1(3.912,41.986)
SW: C56.1 IC7.2 IC7.12 L3.2 | length 1.9
  Bottom Copper w0.2: IC7.2@-23.803,-27.785 IC7.12@-23.803,-25.885
TPS_EN: IC1.10 R2.2 R6.2 | length 5.1
  Bottom Copper w0.2: R2.2@3.505,-38.176 4.115,-38.176 R6.2@4.369,-38.176 ; R6.2@4.305,-38.176 4.394,-38.087 4.394,-35.789 5.012,-35.171 IC1.10@5.918,-35.171
UART2_RX: H1.12 U3.6 | length 56.2
  Top Copper w0.2: U3.6@17.77,-14.05 17.77,-12.38 v1(17.78,-12.37)
  Bottom Copper w0.2: H1.12@5.08,32.2 5.08,31.6 6.147,30.533 6.147,16.535 7.29,15.392 15.215,15.392 17.018,13.589 17.018,-11.608 v1(17.78,-12.37)
UART2_TX: H1.11 U3.4 | length 50.1
  Top Copper w0.2: U3.4@16.5,-14.05 16.5,-12.38 v1(16.51,-12.37)
  Bottom Copper w0.2: H1.11@5.08,25.8 5.08,14.884 5.385,14.58 14.783,14.58 16.51,12.852 v1(16.51,-12.37)
USB_DN: U3.3 USB1.A7 USB1.B7 | length 33.6
  Top Copper w0.16: USB1.B7@11.735,-39.141 11.713,-39.01 11.694,-38.898 11.694,-36.515 12.497,-35.712 18.339,-35.712 19.787,-34.265 19.787,-19.939 19.482,-19.634 16.688,-19.634 16.5,-19.446 U3.3@16.5,-17.95 ; USB1.B7@11.926,-39.54 12.094,-40.085 12.145,-40.242 ccw(c12.297,-40.193) 12.338,-40.347 12.968,-40.181 ccw(c12.927,-40.026) 13.081,-40.07 13.093,-40.025 ccw(c12.939,-39.981) 13.092,-39.932 13.041,-39.777 USB1.A7@12.877,-39.231
USB_DP: U3.5 USB1.A6 USB1.B6 | length 32.2
  Top Copper w0.16: USB1.A6@12.402,-39.386 12.225,-38.844 12.113,-38.499 12.584,-38.351 ; USB1.B6@13.353,-39.077 13.164,-38.539 13.055,-38.203 12.584,-38.351 ; U3.5@17.77,-17.95 17.77,-18.76 18.06,-19.05 20.15,-19.05 20.244,-19.144 20.244,-34.595 18.745,-36.093 12.652,-36.093 12.558,-36.187 12.558,-37.935 12.584,-38.351
VBAT: BH1.1 C57.2 IC7.10 R9.1 SW1.3 | length 133.9
  Bottom Copper w0.5: R9.1@23.825,23.647 23.825,4.547 25.4,2.972 40.589,2.972 41.55,2.011 BH1.1@41.55,-9.5 ; BH1.1@39.11,-7.061 BH1.1@41.55,-9.5
  Bottom Copper w1: C57.2@-25.187,-22.276 -25.187,-18.925 -24.602,-18.339 28.727,-18.339
  Bottom Copper w3: SW1.3@28.727,-21.977 28.727,-18.339 28.727,-11.968 30.485,-10.211 40.805,-10.211 41.148,-10.554 BH1.1@41.313,-10.389
VBAT_SW: C2.2 C3.2 C6.2 C14.2 C15.2 IC1.4 IC1.5 IC1.6 R2.1 R25.2 SW1.2 | length 66.6
  Top Copper w0.2: v1(2.769,-38.989) 2.816,-38.941 2.816,-38.705 2.939,-38.583 8.738,-38.583 9.423,-37.897 v1(9.423,-37.059) ; R25.2@10.592,6.198 10.579,6.185 10.579,-10.554 11.303,-11.278 24.74,-11.278 25.393,-11.931 SW1.2@25.393,-25.43
  Bottom Copper w0.2: v1(2.769,-38.989) R2.1@3.505,-38.989
  Bottom Copper w3: 22.961,-36.153 23.636,-36.153 25.393,-34.396 SW1.2@25.393,-25.43
VBUS: C59.2 IC7.1 L3.1 R26.2 R60.1 USB1.A4 USB1.A9 USB1.B4 USB1.B9 | length 126.6
  Top Copper w0.2: v1(-28.778,-26.162) -25.578,-26.162 -25.095,-26.645 -25.095,-30.048 -24.968,-30.175 v1(-23.038,-30.175) ; R26.2@10.592,9.881 11.989,9.881 12.293,9.576 12.293,-9.713 12.411,-9.83 25.679,-9.83 26.903,-11.053 26.903,-28.672 19.142,-36.433 15.179,-36.433 14.91,-36.702 14.91,-38.366 USB1.A9@15.065,-38.52
  Top Copper w0.3: USB1.B9@10.5,-40.004 10.609,-40.339 USB1.B9@10.654,-40.479
  Bottom Copper w0.16: L3.1@-21.882,-30.95 L3.1@-21.412,-31.42
  Bottom Copper w0.3: v1(-28.778,-26.162) R60.1@-28.194,-26.162
  Bottom Copper w1: L3.1@-21.768,-32.664 -21.768,-38.926 -19.724,-40.97 -10.312,-40.97 -7.251,-44.032 7.431,-44.032 11.049,-42.637 11.491,-42.194 11.491,-41.588 11.42,-41.41 10.938,-40.198 10.871,-40.03
  other v1: 10.465,-40.386 10.236,-39.7 15.037,-38.887 14.808,-38.252
VSENSE: IC1.7 R3.1 R4.2 | length 2.6
  Bottom Copper w0.2: R3.1@8.331,-38.176 8.393,-38.114 R3.1@8.393,-38.059 ; IC1.7@8.393,-36.396 R3.1@8.393,-38.059 ; R4.2@9.119,-38.176 8.481,-38.176 8.393,-38.088 R3.1@8.393,-38.059
VSS: BH1.3 C20.2 C21.1 IC4.6 Q1.2 Q1.3 Q2.2 Q2.3 | length 11.1
  Bottom Copper w0.2: C20.2@23.825,24.511 23.825,25.842 IC4.6@23.713,25.953 23.861,26.101 23.861,26.705 23.978,26.822 26.248,26.822 26.441,26.629 C21.1@26.441,24.511 28.118,24.511 28.321,24.308 28.321,22.504 ; Q2.2@28.647,22.375 28.861,22.375
pads on no net: IC1.14 IC2.3 IC3.19 IC3.20 IC3.21 IC3.22 IC3.23 IC6.4 IC6.11 IC7.14 IC7.15 IC7.18 IC8.5 IC8.6 IC8.12 IC8.13 LED12.2 SW1.1 SW1.4 SW1.5 U1.4 U2.1 U2.2 U2.3 U2.4 U2.5 U2.6 U4.2 U4.3 U4.4 U4.9 U4.10 U4.11 USB1. USB1.A8 USB1.B8
copper on no net:
  other v2: -35.814,-17.424 35.814,17.424
  other v3: -27.6,0 27.6,0

## Polygon pours and split planes (outlines as drawn)
GND on Top Copper "GND_L01_P000" (solid, pour order 0): -14.023,-45.398 ccw(c-13.854,-44.918) -13.354,-45.013 -12.835,-43.131 cw(c-11.632,-43.472) -10.42,-43.777 -10.935,-45.646 ccw(c-10.466,-45.817) -10.565,-46.307 -10.589,-46.304 ccw(c0.001,0) 13.925,45.414 14.015,45.381 ccw(c13.843,44.911) 13.353,45.011 12.834,43.129 cw(c11.631,43.469) 10.419,43.775 10.935,45.643 ccw(c10.465,45.815) 10.564,46.305 ccw(c0.002,-0.011)
GND on INT1 "GND_L02_P001" (solid, pour order 1): -14.023,-45.398 ccw(c-13.854,-44.918) -13.354,-45.013 -12.835,-43.131 cw(c-11.632,-43.472) -10.42,-43.777 -10.935,-45.646 ccw(c-10.466,-45.817) -10.565,-46.307 -10.589,-46.304 ccw(c0.001,0) 13.925,45.414 14.015,45.381 ccw(c13.843,44.911) 13.353,45.011 12.834,43.129 cw(c11.631,43.469) 10.419,43.775 10.935,45.643 ccw(c10.465,45.815) 10.564,46.305 ccw(c0.002,-0.011)
GND on INT2 "GND_L03_P002" (solid, pour order 2): -14.023,-45.398 ccw(c-13.854,-44.918) -13.354,-45.013 -12.835,-43.131 cw(c-11.632,-43.472) -10.42,-43.777 -10.935,-45.646 ccw(c-10.466,-45.817) -10.565,-46.307 -10.589,-46.304 ccw(c0.001,0) 13.925,45.414 14.015,45.381 ccw(c13.843,44.911) 13.353,45.011 12.834,43.129 cw(c11.631,43.469) 10.419,43.775 10.935,45.643 ccw(c10.465,45.815) 10.564,46.305 ccw(c0.002,-0.011)
GND on Bottom Copper "GND_L04_P003" (solid, pour order 3): -14.023,-45.398 ccw(c-13.854,-44.918) -13.354,-45.013 -12.835,-43.131 cw(c-11.632,-43.472) -10.42,-43.777 -10.935,-45.646 ccw(c-10.466,-45.817) -10.565,-46.307 -10.589,-46.304 ccw(c0.001,0) 13.925,45.414 14.015,45.381 ccw(c13.843,44.911) 13.353,45.011 12.834,43.129 cw(c11.631,43.469) 10.419,43.775 10.935,45.643 ccw(c10.465,45.815) 10.564,46.305 ccw(c0.002,-0.011)

## Keep-outs
Keep-Out Layer:
  lines w0.2: -14.023,-45.398 cw(c0.002,-0.017) 10.566,46.294 ; -14.016,-45.384 ccw(c-13.844,-44.914) -13.354,-45.013 -12.835,-43.131 cw(c-11.632,-43.472) -10.42,-43.777 -10.935,-45.646 ccw(c-10.466,-45.817) -10.565,-46.307 ; -10.589,-46.304 ccw(c0.001,0) 13.925,45.414 ; 10.564,46.305 cw(c10.465,45.815) 10.935,45.643 10.419,43.775 ccw(c11.631,43.469) 12.834,43.129 13.353,45.011 cw(c13.843,44.911) 14.015,45.381

## Other copper
Top Copper:
  region net VBUS: 14.453,-38.049 14.986,-37.897 15.367,-39.065 14.859,-39.243
  region net VBUS: 9.881,-39.522 10.287,-40.742 10.861,-40.57 10.439,-39.345
INT1:
  pour cut-out: -19.291,-27.501 -11.697,-27.501 -11.697,-30.016 -19.291,-30.016
  pour cut-out: 11.629,-27.501 19.223,-27.501 19.223,-30.016 11.629,-30.016
  pour cut-out: 11.629,29.769 19.223,29.769 19.223,27.254 11.629,27.254
  pour cut-out: -19.291,29.769 -11.697,29.769 -11.697,27.254 -19.291,27.254
INT2:
  pour cut-out: 11.667,29.743 19.261,29.743 19.261,27.229 11.667,27.229
  pour cut-out: 11.667,-27.527 19.261,-27.527 19.261,-30.041 11.667,-30.041
  pour cut-out: -19.253,-27.527 -11.659,-27.527 -11.659,-30.041 -19.253,-30.041
  pour cut-out: -19.253,29.743 -11.659,29.743 -11.659,27.229 -19.253,27.229
Bottom Copper:
  rectangle net VSS: 28.854,12.802 31.471,20.803
  rectangle net VSS: 31.217,12.7 32.461,23.241
  rectangle net VSS: 27.711,12.929 28.956,23.241
  rectangle net VSS: 27.711,8.611 42.316,13.284
  region net NetQ2_1: 30.048,29.007 29.134,29.007 29.134,21.285 30.048,21.285
  region net NetQ1_1: 33.553,28.956 32.639,28.956 32.639,21.26 33.553,21.26
  rectangle net BM: -43.84,-13.183 -38.786,13.157
  region net +5V: -14.275,-30.251 -14.275,-39.649 -5.817,-39.649 -5.817,-30.277 -5.791,-30.251
  region net VBUS: 9.906,-39.548 10.287,-40.767 15.418,-39.091 15.011,-37.871
  region net NetC58_2: -24.308,-26.086 -24.308,-21.641 -22.504,-21.641 -22.504,-23.725 -24.079,-24.649 -24.079,-26.086
  region net VBAT: -24.486,-26.111 -24.486,-25.717 -24.486,-21.641 -26.035,-21.641 -26.035,-24.042 -24.816,-24.756 -24.816,-26.111
  region net SW: -23.673,-33.147 -28.372,-33.147 -28.372,-29.527 -24.054,-29.527 -23.927,-29.4 -23.927,-27.584 -23.673,-27.584 -23.673,-29.527
  region net VBUS: -23.495,-27.61 -23.495,-33.198 -20.168,-33.198 -20.168,-31.61 -23.266,-28.511 -23.266,-27.61
  region net VBAT_SW: 8.839,-34.493 24.359,-34.493 24.359,-37.44 8.839,-37.44
  region net NetC7_2: 6.401,-33.985 6.401,-34.823 4.978,-34.823 0.533,-39.268 -4.242,-39.268 -4.242,-29.007 4.394,-29.007 4.394,-33.07 5.26,-33.985

## Silkscreen, mask and mechanical layers (free items; w line width, h text height)
Top Overlay:
  drawing of 7 lines, arcs and shapes, not listed
  text "SP-" at 10.894,39.368 h0.8
  text "SP+" at 10.894,36.701 h0.8
  text "CYOCrawler V2.0" at -7.879,-38.892 h1.5
Bottom Overlay:
  drawing of 205 lines, arcs and shapes, not listed
  text "IO15" at 8.182,35.944 h1 r90
  text "5V" at -7.134,35.69 h1 r90
  text "5V" at -4.62,35.69 h1 r90
  text "3V3" at -2.105,35.69 h1 r90
  text "3V3" at 0.562,35.69 h1 r90
  text "SCL" at 3.077,35.69 h1 r90
  text "RX2" at 5.642,35.69 h1 r90
  text "2" at 13.338,30.477 h1
  text "1" at 15.954,30.477 h1
  text "0" at 18.342,30.477 h1
  text "5" at -17.574,30.426 h1
  text "4" at -14.957,30.426 h1
  text "3" at -12.57,30.426 h1
  text "G" at -20.622,27.911 h1
  text "G" at 21.034,27.886 h1
  text "5V" at -20.063,25.321 h1
  text "5V" at 21.593,25.295 h1
  text "GND" at -7.134,23.193 h1 r90
  text "GND" at -4.518,23.193 h1 r90
  text "GND" at -2.029,23.193 h1 r90
  text "GND" at 0.486,23.193 h1 r90
  text "SDA" at 2.95,23.193 h1 r90
  text "TX2" at 5.642,23.193 h1 r90
  text "IO5" at 8.157,23.193 h1 r90
  text "P" at -20.647,22.654 h1
  text "P" at 21.009,22.628 h1
  text "6" at -17.65,-21.695 h1
  text "7" at -15.135,-21.695 h1
  text "9" at 13.27,-21.695 h1
  text "8" at -12.595,-21.746 h1
  text "11" at 18.494,-21.771 h1
  text "10" at 16.158,-21.796 h1
  text "P" at -9.877,-24.336 h1
  text "P" at 10.265,-24.362 h1
  text "CHRG" at -3.807,-24.649 h1.5
  text "PWR" at 1.878,-24.631 h1.5
  text "FULL" at 7.547,-24.631 h1.5
  text "5V" at -9.319,-26.927 h1
  text "5V" at 10.824,-26.953 h1
  text "G" at -9.903,-29.594 h1
  text "G" at 10.239,-29.62 h1

## Text inside footprints (layer, text, board x,y; h text height)
BH1: Bottom Overlay "+" at -32.112,4.245 h10; Bottom Overlay "-" at -32.265,-15.114 h10; Bottom Overlay "+" at 23.717,-14.627 h10; Bottom Overlay "-" at 24.047,4.901 h10